# Altium PCB PCB_FINAL_5.PcbDoc (part 2 of 2)
Units mm, origin at the board's own origin, x right, y up, seen from the top; angles counter-clockwise.
Board outline 80.01 x 70.31 mm, 2 copper layers (Top Layer, Bottom Layer); 122 components, 64 nets, 390 pads, 209 vias.
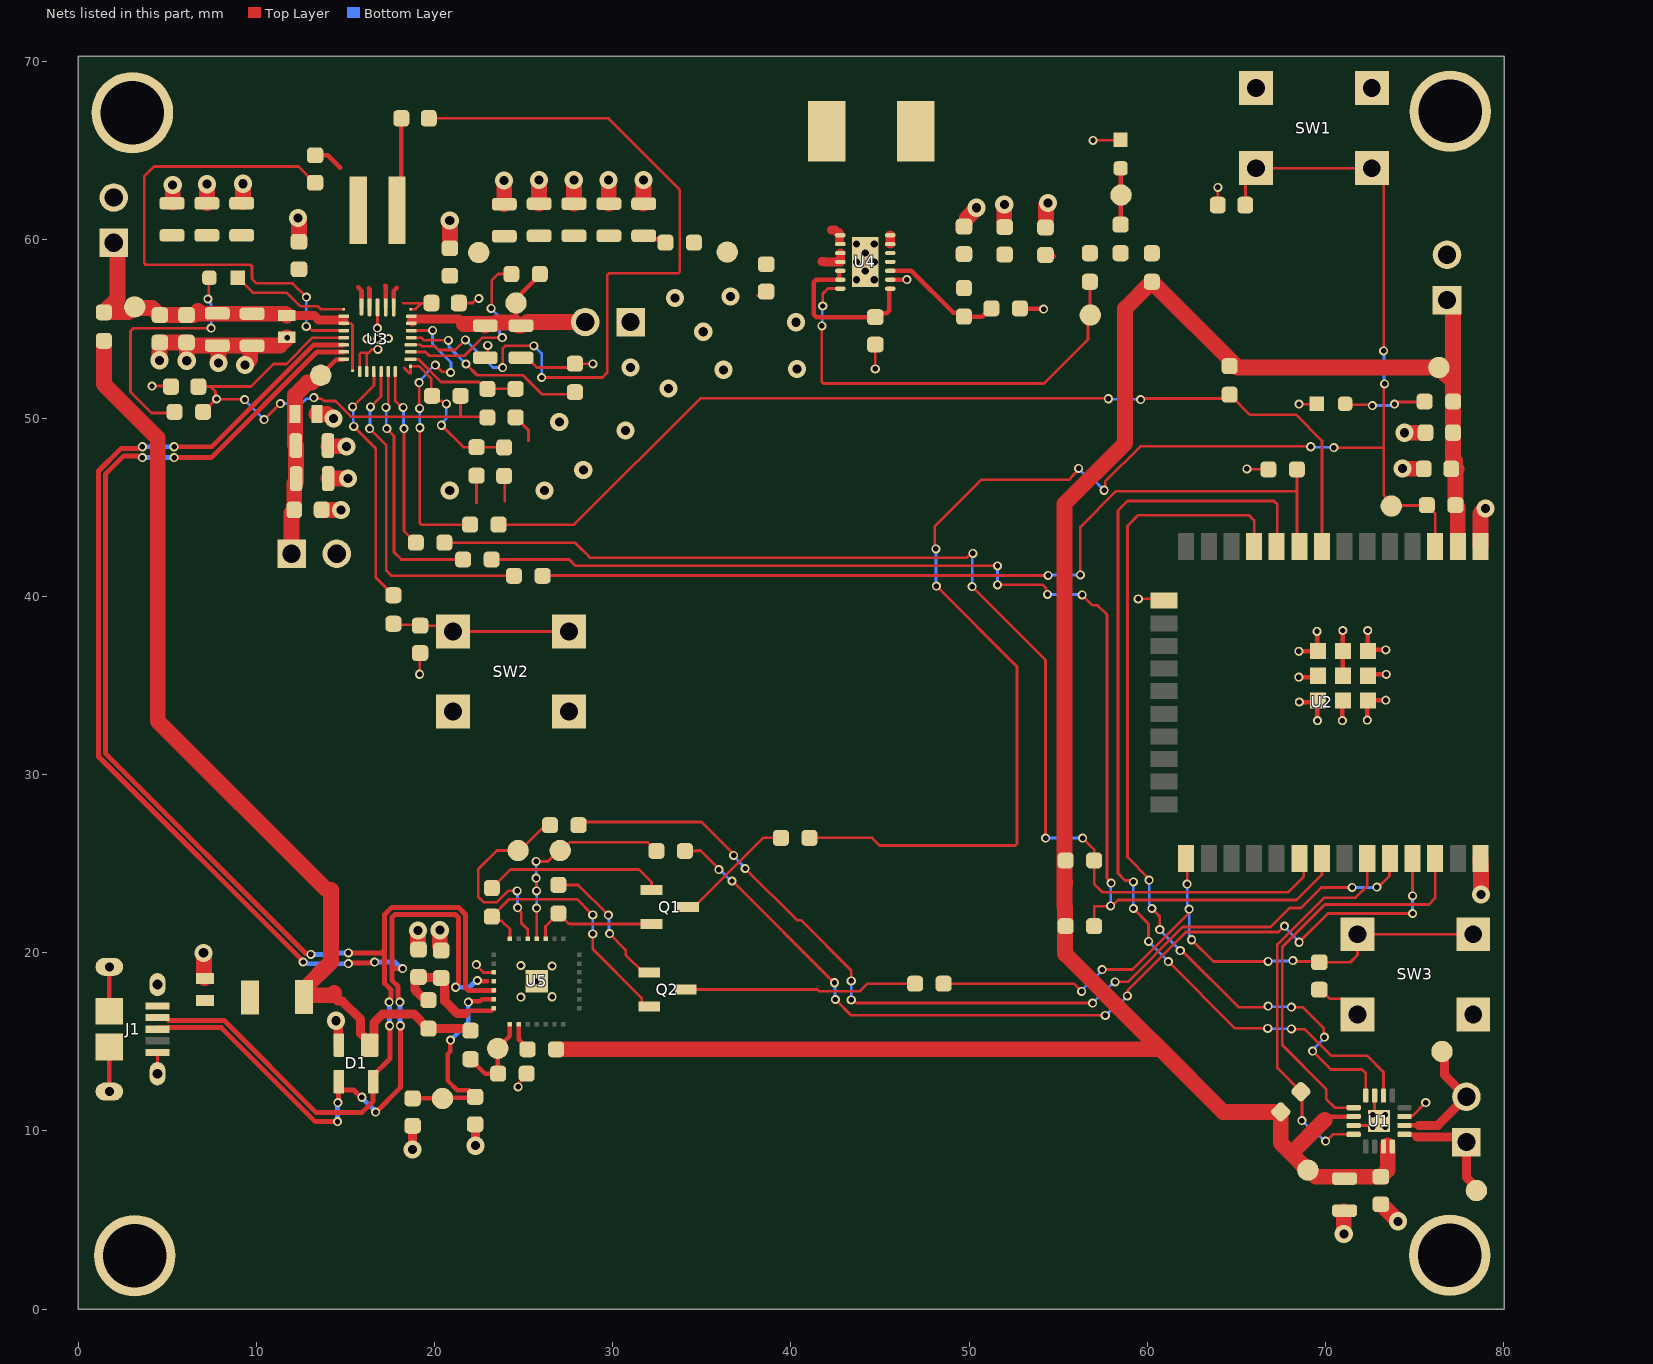
[diagram p2: the nets of this part, all layers, seen from the top]

## Part data
C1 C4 C5 C6 C8 C9 C10 C12 C13 C14 C15 C16 C19 C20 C36: library part GRM21BR61E106KA73K, "Ceramic Capacitor, Ceramic, 25V, 10% +Tol, 10% -Tol, X5R, 15% TC, 10uF, Surface Mount, 0805", Case/Package=0805, Dielectric=X5R, Dielectric Material=Ceramic, Manufacturer=Murata, Manufacturer Lifecycle Status="IN PRODUCTION", Max Operating Temperature=85°C, Min Operating Temperature=-55°C, Supplier Part Number 1=490-16824-1-ND, Tolerance=10%, Voltage Rating=25V, Category="Ceramic Capacitors", ComponentLink1Description=https://datasheet.octopart.com:443/GRM21BR61E106KA73K-Murata-datasheet-149523495.pdf?src-supplier=Newark, ComponentLink1URL=https://datasheet.octopart.com:443/GRM21BR61E106KA73K-Murata-datasheet-149523495.pdf?src-supplier=Newark, ComponentLink2Description=https://datasheet.octopart.com:443/GRM21BR61E106KA73K-Murata-datasheet-141278247.pdf?src-supplier=Geoflip, ComponentLink2URL=https://datasheet.octopart.com:443/GRM21BR61E106KA73K-Murata-datasheet-141278247.pdf?src-supplier=Geoflip, ComponentLink3Description=https://datasheet.octopart.com:443/GRM21BR61E106KA73K-Murata-datasheet-165579666.pdf?src-supplier=TME, ComponentLink3URL=https://datasheet.octopart.com:443/GRM21BR61E106KA73K-Murata-datasheet-165579666.pdf?src-supplier=TME, ComponentLink4Description=https://datasheet.octopart.com:443/GRM21BR61E106KA73K-Murata-datasheet-140707569.pdf?src-supplier=Ciiva, ComponentLink4URL=https://datasheet.octopart.com:443/GRM21BR61E106KA73K-Murata-datasheet-140707569.pdf?src-supplier=Ciiva, ComponentLink5Description=https://datasheet.octopart.com:443/GRM21BR61E106KA73K-Murata-datasheet-138744870.pdf?src-supplier=Ciiva, ComponentLink5URL=https://datasheet.octopart.com:443/GRM21BR61E106KA73K-Murata-datasheet-138744870.pdf?src-supplier=Ciiva, ComponentLink6Description=https://datasheet.octopart.com:443/GRM21BR61E106KA73K-Murata-datasheet-99353849.pdf?src-supplier=Future+Electronics, ComponentLink6URL=https://datasheet.octopart.com:443/GRM21BR61E106KA73K-Murata-datasheet-99353849.pdf?src-supplier=Future+Electronics, ComponentLink7Description=https://datasheet.octopart.com/GRM21BR61E106KA73K-Murata-datasheet-12515295.pdf, ComponentLink7URL=https://datasheet.octopart.com/GRM21BR61E106KA73K-Murata-datasheet-12515295.pdf, ComponentLink8Description=https://datasheet.octopart.com/GRM21BR61E106KA73K-Murata-datasheet-12510076.pdf, ComponentLink8URL=https://datasheet.octopart.com/GRM21BR61E106KA73K-Murata-datasheet-12510076.pdf, ComponentLink9Description=https://datasheet.octopart.com/GRM21BR61E106KA73K-Murata-datasheet-11978611.pdf, ComponentLink9URL=https://datasheet.octopart.com/GRM21BR61E106KA73K-Murata-datasheet-11978611.pdf, ComponentLink10Description=https://datasheet.octopart.com/GRM21BR61E106KA73K-Murata-datasheet-10025737.pdf, ComponentLink10URL=https://datasheet.octopart.com/GRM21BR61E106KA73K-Murata-datasheet-10025737.pdf, ComponentLink11Description=https://datasheet.octopart.com/GRM21BR61E106KA73K-Murata-datasheet-8819587.pdf, ComponentLink11URL=https://datasheet.octopart.com/GRM21BR61E106KA73K-Murata-datasheet-8819587.pdf, ComponentLink12Description=https://datasheet.octopart.com/GRM21BR61E106KA73K-Murata-datasheet-14397508.pdf, ComponentLink12URL=https://datasheet.octopart.com/GRM21BR61E106KA73K-Murata-datasheet-14397508.pdf, ComponentLink13Description=http://sigma.octopart.com:80/reach_statement/Murata-company-16.pdf?src-supplier=Compliance+Statements, ComponentLink13URL=http://sigma.octopart.com:80/reach_statement/Murata-company-16.pdf?src-supplier=Compliance+Statements, Height=1.25mm, Length=2mm, Lifecycle Status=Production, Manufacturer Part Number=GRM21BR61E106KA73K, Material=Ceramic, Mounting Technology="Surface Mount", Number of Terminals=2, Packaging="Tape & Reel (TR)", Pricing="10000=0.01987, 20000=0.01911, 40000=0.01892, 60000=0.01882, 80000=0.01872 (USD)", REACH SVHC=Yes, RoHS=Compliant, Schedule B="8532240020, 8532240020|8532240020, 8532240020|8532240020|8532240020, 8532240020|8532240020|8532240020|8532240020", Stock=54000, Supplier=Avnet, Supplier 1=DigiKey, Supplier Part Number=GRM21BR61E106KA73K, Thickness=1.25mm, Voltage Rating (DC)=25V, Weight=9.49709mg, Width=1.25mm
C2 C3 C7 C11 C26 C27 C29 C31 C33 C34 C35 C39: library part GCM31C5C1H104FA16L, "0.10uF Tol.1%. Rated voltage 50Vdc 125C SMD capacitor C0G(EIA) with capacitance", Package="3216 Murata", Check_prices=https://www.snapeda.com/parts/GCM31C5C1H104FA16L/Murata/view-part/?ref=eda, Digi-Key_Part_Number=490-GCM31C5C1H104FA16LTR-ND, MF=Murata, MP=GCM31C5C1H104FA16L, Purchase-URL=https://pricing.snapeda.com/search/part/GCM31C5C1H104FA16L/?ref=eda, SnapEDA_Link=https://www.snapeda.com/parts/GCM31C5C1H104FA16L/Murata/view-part/?ref=snap
C17 C21 C37: library part CC0603KRX7R7BB473, "CAPACITOR CERAMIC 0.047UF 16V, X7R, 10%,", Package=None, Availability=Unavailable, MP=CC0603KRX7R7BB473, Price=None
C18 C30 C32: library part GRM188R61E475KE11D, "Ceramic capacitor SMD 0603 4.7 µF 25 V 10 % (L x W x H) 1.6 x 0.8 x 0.8 mm Murata GRM188R61E475KE11D 4000 pc(s)", Package="1608 Murata", Check_prices=https://www.snapeda.com/parts/GRM188R61E475KE11D/Murata+Electronics+North+America/view-part/?ref=eda, MF="Murata Electronics", MP=GRM188R61E475KE11D, SnapEDA_Link=https://www.snapeda.com/parts/GRM188R61E475KE11D/Murata+Electronics+North+America/view-part/?ref=snap
C22 C23 C24 C25 C28: library part CL10A226MO7JZNC, "22 µF ±20% 16V Ceramic Capacitor X5R 0603 (1608 Metric)", Package="1608-2 SAMSUNG", Check_prices=https://www.snapeda.com/parts/CL10A226MO7JZNC/Samsung/view-part/?ref=eda, MF="Samsung Electro-Mechanics", MP=CL10A226MO7JZNC, SnapEDA_Link=https://www.snapeda.com/parts/CL10A226MO7JZNC/Samsung/view-part/?ref=snap
C38: library part CC0603KRX7R7BB102, "1000pF ±10% 16V Ceramic Capacitor X7R 0603 (1608 Metric)", Package="0603 Yageo", Check_prices=https://www.snapeda.com/parts/CC0603KRX7R7BB102/Yageo/view-part/1821143/?ref=eda, Digi-Key_Part_Number=311-4063-1-ND, MF=Yageo, MP=CC0603KRX7R7BB102, Purchase-URL=https://pricing.snapeda.com/search/part/CC0603KRX7R7BB102/?ref=eda, SnapEDA_Link=https://www.snapeda.com/parts/CC0603KRX7R7BB102/Yageo/view-part/1821143/?ref=snap
D1: "SP050xBA Series 8.5 V 30 pF Triple Uni-Directional TVS Avalanche Diode-SOT143-4", Breakdown Voltage=5.5V, Case/Package=SOT-143, Clamping Voltage=6.8V, Leakage Current=100nA, Manufacturer=Littelfuse, Max Operating Temperature=125°C, Max Power Dissipation=225mW, Min Operating Temperature=-40°C, Power Line Protection=No, Supplier Part Number=F2715CT-ND, Voltage Rating (DC)=5V, Category="TVS Diodes", China RoHS=Compliant, ComponentLink1Description=https://datasheet.octopart.com:443/SP0503BAHTG-Littelfuse-datasheet-180609594.pdf?src-supplier=Newark, ComponentLink1URL=https://datasheet.octopart.com:443/SP0503BAHTG-Littelfuse-datasheet-180609594.pdf?src-supplier=Newark, ComponentLink2Description=https://datasheet.octopart.com:443/SP0503BAHTG-Littelfuse-datasheet-65933529.pdf?src-supplier=element14+APAC, ComponentLink2URL=https://datasheet.octopart.com:443/SP0503BAHTG-Littelfuse-datasheet-65933529.pdf?src-supplier=element14+APAC, ComponentLink3Description=https://datasheet.octopart.com:443/SP0503BAHTG-Littelfuse-datasheet-8328482.pdf?src-supplier=element14+APAC, ComponentLink3URL=https://datasheet.octopart.com:443/SP0503BAHTG-Littelfuse-datasheet-8328482.pdf?src-supplier=element14+APAC, ComponentLink4Description=https://datasheet.octopart.com:443/SP0503BAHTG-Littelfuse-datasheet-8817999.pdf?src-supplier=element14+APAC, ComponentLink4URL=https://datasheet.octopart.com:443/SP0503BAHTG-Littelfuse-datasheet-8817999.pdf?src-supplier=element14+APAC, ComponentLink5Description=https://datasheet.octopart.com:443/SP0503BAHTG-Littelfuse-datasheet-165517320.pdf?src-supplier=element14+APAC, ComponentLink5URL=https://datasheet.octopart.com:443/SP0503BAHTG-Littelfuse-datasheet-165517320.pdf?src-supplier=element14+APAC, ComponentLink6Description=https://datasheet.octopart.com:443/SP0503BAHTG-Littelfuse-datasheet-137315643.pdf?src-supplier=JRH+Electronics, ComponentLink6URL=https://datasheet.octopart.com:443/SP0503BAHTG-Littelfuse-datasheet-137315643.pdf?src-supplier=JRH+Electronics, ComponentLink7Description=https://datasheet.octopart.com:443/SP0503BAHTG-Littelfuse-datasheet-32996.pdf?src-supplier=Farnell, ComponentLink7URL=https://datasheet.octopart.com:443/SP0503BAHTG-Littelfuse-datasheet-32996.pdf?src-supplier=Farnell, ComponentLink8Description=https://datasheet.octopart.com:443/SP0503BAHTG-Littelfuse-datasheet-622385.pdf?src-supplier=RS+(Formerly+Allied+Electronics), ComponentLink8URL=https://datasheet.octopart.com:443/SP0503BAHTG-Littelfuse-datasheet-622385.pdf?src-supplier=RS+(Formerly+Allied+Electronics), ComponentLink9Description=https://datasheet.octopart.com:443/SP0503BAHTG-Littelfuse-datasheet-125842.pdf?src-supplier=TME, ComponentLink9URL=https://datasheet.octopart.com:443/SP0503BAHTG-Littelfuse-datasheet-125842.pdf?src-supplier=TME, ComponentLink10Description=https://datasheet.octopart.com:443/SP0503BAHTG-Littelfuse-datasheet-165573816.pdf?src-supplier=TME, ComponentLink10URL=https://datasheet.octopart.com:443/SP0503BAHTG-Littelfuse-datasheet-165573816.pdf?src-supplier=TME, ComponentLink11Description=https://datasheet.octopart.com:443/SP0503BAHTG-Littelfuse-datasheet-14049100.pdf?src-supplier=iiiC, ComponentLink11URL=https://datasheet.octopart.com:443/SP0503BAHTG-Littelfuse-datasheet-14049100.pdf?src-supplier=iiiC, Composition=Zener, Depth=1.4mm, Diode Type=Avalanche, Direction=Unidirectional, Element Configuration="Common Anode", ESD Protection=Yes, Height=1.22mm, Lead Free="Lead Free", Length=3.04mm, Lifecycle Status=Production, Manufacturer Part Number=SP0503BAHTG, Max Reverse Leakage Current=100nA, Mounting Technology="Surface Mount", Number of Channels=3, Number of Elements=3, Number of Terminals=4, Number of Unidirectional Channels=3, Operating Supply Voltage=5.5V, Peak Pulse Power=225mW, Pins=4, Polarity=Unidirectional, Power Dissipation=225mW, Pricing="1=0.6, 10=0.5, 100=0.424, 500=0.373, 1000=0.343 (USD)", Radiation Hardening=No, REACH SVHC=Yes, Reverse Standoff Voltage=5.5V, RoHS=Compliant, Schedule B="8536300000, 8536300000|8536300000|8536300000|8536300000|8536300000", Stock=99308, Supplier=DigiKey, Termination=SMD/SMT, Width=1.4mm, Working Voltage=5.5V
D2 D3 D6: library part WE-TVS_DFN1610-2L_824032815, Package=None, Availability=Unavailable, MF="{'manufacturer': u'W\xfcrth Elektronik'}", MP=824032815, Price=None
F1: library part 0ZCJ0200FF2C, "No Description Available", Manufacturer_Name=Belfuse, Copyright="Copyright (C) 2025 Ultra Librarian. All rights reserved.", Manufacturer_Part_Number=0ZCJ0200FF2C
H1 H2 H3 H4 H5: library part PRPC002SAAN-RC, "CONN HEADER VERT 2POS 2.54MM", Color=Black, Manufacturer=Sullins, Standard Package=1, Supplier Part Number 1=S1011EC-02-ND, Category="Connectors, Interconnects", ComponentLink1Description=https://media.digikey.com/PDF/Data%20Sheets/Sullins%20PDFs/xRxCzzzSxxN-RC_ST_11635-B.pdf?src-supplier=Digi-Key, ComponentLink1URL=https://media.digikey.com/PDF/Data%20Sheets/Sullins%20PDFs/xRxCzzzSxxN-RC_ST_11635-B.pdf?src-supplier=Digi-Key, Connector Type="Header, Unshrouded, Breakaway", Contact Finish=Gold, Contact Finish Thickness=Flash, Contact Mating Length="0.230\" (5.84mm)", Contact Type="Male Pin", Family="Rectangular Connectors - Headers, Male Pins", Fastening Type=-, Features=-, Manufacturer Part Number=PRPC002SAAN-RC, Mounting Type="Through Hole", Number of Positions=2, Number of Positions Loaded=All, Number of Rows=1, Online Catalog="0.100\" (2.54mm) Pitch Connector Headers", Other Names="S9510E-02  S9510E-02-ND", Packaging=Bulk, Pitch="0.100\" (2.54mm)", Pricing 1="1=0.08, 10=0.073, 25=0.054, 50=0.0464, 100=0.0449, 250=0.0387, 500=0.0372 (USD)", Row Spacing=-, Series=-, Stock 1=42739, Supplier 1=Digi-Key, Termination=Solder
J1: library part "USB-Micro B", "10118194-0001LF micro-USB paste-in-pad", Color=Black, Current Rating="1.8 A", Flammability Rating="UL 94 V-0", Insulation Resistance="1000 MOhms", Manufacturer=FCI, Manufacturer Part Number=10118194-0001LF, Operating Temperature Range="- 55 C to + 85 C", Supplier Part Number 1=609-4618-1-ND, .Creator="Kailey Shara", .PCBchecked=KS, .SCHchecked=KS, Brand=FCI, Category="Connectors, Interconnects", ComponentLink1Description=http://portal.fciconnect.com/Comergent//fci/drawing/10118194.pdf, ComponentLink1URL=http://portal.fciconnect.com/Comergent//fci/drawing/10118194.pdf, Connector Type="USB - micro B", Contact Material="Copper Alloy", Contact Plating=Gold, Features="Shielded, Solder Retention", Gender=Receptacle, Ingress Protection=-, Minimum Order Quantity=1, Mounting Angle=Right, Mounting Type="Surface Mount, Right Angle, Horizontal", Number of Contacts=5, Packaging="Cut Tape (CT)", Pricing 1="1=0.46, 10=0.433, 25=0.3712, 50=0.3156, 100=0.3032, 250=0.27224, 500=0.25988 (USD)", Product="Micro USB Type B Connectors", Reeling=True, RoHS="RoHS Compliant", Specifications="USB 2.0", Standard="USB 2.0", Standard Pack Qty=1200, Stock 1=27978, Supplier 1=Digi-Key, Termination Style=SMD
L1: library part WE-MAPI_4020, "1 ÂµH Shielded Molded Inductor 7.2 A 15mOhm Max 1616 (4040 Metric)", Package=SMD-2, Availability=Unavailable, Check_prices=https://www.snapeda.com/parts/74438356010/W%25C3%25BCrth+Elektronik+Midcom/view-part/?ref=eda, MF="WÃ¼rth Elektronik", MP=74438356010, Price=None, SnapEDA_Link=https://www.snapeda.com/parts/74438356010/W%25C3%25BCrth+Elektronik+Midcom/view-part/?ref=snap
L2: library part ETQ-P3M1R5KVN, "Description", Manufacturer_Name=Panasonic, Copyright="Copyright (C) 2025 Ultra Librarian. All rights reserved.", Manufacturer_Part_Number=ETQ-P3M1R5KVN
LED1 LED2 LED3: library part 150060GS75000, "LED, 0603, GREEN, 430MCD, 520NM", Color=Green, Current - Test=20mA, Manufacturer="Wurth Electronics", Millicandela Rating=430mcd, Package / Case="0603 (1608 Metric)", Standard Package=4,000, Supplier Part Number 1=732-4971-1-ND, Voltage - Forward (Vf) (Typ)=3.2V, 3D Model="SMCW_0603.igs /  / SMCW_0603.stp /  / SMCW_0603.wrl", Category=Optoelectronics, ComponentLink1Description=https://katalog.we-online.de/led/datasheet/150060GS75000.pdf?src-supplier=Digi-Key, ComponentLink1URL=https://katalog.we-online.de/led/datasheet/150060GS75000.pdf?src-supplier=Digi-Key, ComponentLink2Description=http://www.produktinfo.conrad.com/datenblaetter/750000-774999/759427-da-01-en-CHIPLED_0603_W_KL_GRUEN_150060GS75000.pdf?src-supplier=Conrad, ComponentLink2URL=http://www.produktinfo.conrad.com/datenblaetter/750000-774999/759427-da-01-en-CHIPLED_0603_W_KL_GRUEN_150060GS75000.pdf?src-supplier=Conrad, Dynamic Catalog="0603 Rectangle with Flat Top Chip LEDs", Family="LED Indication - Discrete", Height=0.70mm, Lens Style/Size="Rectangle with Flat Top, 1.1mm x 0.7mm", Lens Type=Clear, Manufacturer Part Number=150060GS75000, Mounting Type="Surface Mount", Online Catalog="0603 Rectangle with Flat Top Chip LEDs", Other Names=732-4971-2, Packaging="Tape & Reel (TR)", Pricing 1="1=0.14, 50=0.129, 100=0.11, 500=0.095 (USD)", Series=WL-SMCW, Size / Dimension="1.60mm L x 0.80mm W", Stock 1=34964, Supplier 1=Digi-Key, Viewing Angle=140°, Wavelength - Dominant=520nm, Wavelength - Peak=515nm
MH1 MH2 MH3 MH4: library part HOLE_#4
Q1 Q2: "Description", Manufacturer_Name=Comchip, Copyright="Copyright (C) 2025 Ultra Librarian. All rights reserved.", Manufacturer_Part_Number=SS8050-G, RefDes=RefDes, Type=Type
R1: library part RMCF0603FT634K, "Res Thick Film 0603 634K Ohm 1% 0.1W(1/10W) ±100ppm/C Pad SMD Automotive T/R", Case Code (Imperial)=0603, Case Code (Metric)=1608, Manufacturer="Stackpole Electronics", Max Operating Temperature=155°C, Max Power Dissipation=100mW, Min Operating Temperature=-55°C, Supplier Part Number=738-RMCF0603FT634KCT-ND, Temperature Coefficient=100ppm/°C, Tolerance=1%, Voltage Rating=75V, Case/Package=0603, Category="Chip SMD Resistors", China RoHS=Non-Compliant, ComponentLink1Description=https://datasheet.octopart.com:443/RMCF0603FT634K-Stackpole-Electronics-datasheet-182148065.pdf?src-supplier=IHS, ComponentLink1URL=https://datasheet.octopart.com:443/RMCF0603FT634K-Stackpole-Electronics-datasheet-182148065.pdf?src-supplier=IHS, ComponentLink2Description=https://datasheet.octopart.com:443/RMCF0603FT634K-Stackpole-Electronics-datasheet-28504820.pdf?src-supplier=Upverter, ComponentLink2URL=https://datasheet.octopart.com:443/RMCF0603FT634K-Stackpole-Electronics-datasheet-28504820.pdf?src-supplier=Upverter, ComponentLink3Description=https://datasheet.octopart.com:443/RMCF0603FT634K-Stackpole-Electronics-datasheet-141193804.pdf?src-supplier=Master+Electronics, ComponentLink3URL=https://datasheet.octopart.com:443/RMCF0603FT634K-Stackpole-Electronics-datasheet-141193804.pdf?src-supplier=Master+Electronics, ComponentLink4Description=https://datasheet.octopart.com:443/RMCF0603FT634K-Stackpole-Electronics-datasheet-189104163.pdf?src-supplier=Master+Electronics, ComponentLink4URL=https://datasheet.octopart.com:443/RMCF0603FT634K-Stackpole-Electronics-datasheet-189104163.pdf?src-supplier=Master+Electronics, ComponentLink5Description=https://datasheet.octopart.com:443/RMCF0603FT634K-Stackpole-Electronics-datasheet-116606903.pdf?src-supplier=Master+Electronics, ComponentLink5URL=https://datasheet.octopart.com:443/RMCF0603FT634K-Stackpole-Electronics-datasheet-116606903.pdf?src-supplier=Master+Electronics, ComponentLink6Description=https://datasheet.octopart.com:443/RMCF0603FT634K-Stackpole-Electronics-datasheet-62091608.pdf?src-supplier=Stackpole+Electronics, ComponentLink6URL=https://datasheet.octopart.com:443/RMCF0603FT634K-Stackpole-Electronics-datasheet-62091608.pdf?src-supplier=Stackpole+Electronics, ComponentLink7Description=https://datasheet.octopart.com:443/RMCF0603FT634K-Stackpole-Electronics-datasheet-12534581.pdf?src-supplier=Stackpole+Electronics, ComponentLink7URL=https://datasheet.octopart.com:443/RMCF0603FT634K-Stackpole-Electronics-datasheet-12534581.pdf?src-supplier=Stackpole+Electronics, ComponentLink8Description=https://datasheet.octopart.com:443/RMCF0603FT634K-Stackpole-Electronics-datasheet-10788263.pdf?src-supplier=Stackpole+Electronics, ComponentLink8URL=https://datasheet.octopart.com:443/RMCF0603FT634K-Stackpole-Electronics-datasheet-10788263.pdf?src-supplier=Stackpole+Electronics, ComponentLink9Description=https://datasheet.octopart.com:443/RMCF0603FT634K-Stackpole-Electronics-datasheet-11547379.pdf?src-supplier=Future+Electronics, ComponentLink9URL=https://datasheet.octopart.com:443/RMCF0603FT634K-Stackpole-Electronics-datasheet-11547379.pdf?src-supplier=Future+Electronics, ComponentLink10Description=https://datasheet.octopart.com:443/RMCF0603FT634K-Stackpole-Electronics-datasheet-8359789.pdf?src-supplier=Future+Electronics, ComponentLink10URL=https://datasheet.octopart.com:443/RMCF0603FT634K-Stackpole-Electronics-datasheet-8359789.pdf?src-supplier=Future+Electronics, ComponentLink11Description=https://datasheet.octopart.com:443/RMCF0603FT634K-Stackpole-Electronics-datasheet-8324226.pdf?src-supplier=Future+Electronics, ComponentLink11URL=https://datasheet.octopart.com:443/RMCF0603FT634K-Stackpole-Electronics-datasheet-8324226.pdf?src-supplier=Future+Electronics, ComponentLink12Description=https://datasheet.octopart.com:443/RMCF0603FT634K-Stackpole-Electronics-datasheet-8088878.pdf?src-supplier=Future+Electronics, ComponentLink12URL=https://datasheet.octopart.com:443/RMCF0603FT634K-Stackpole-Electronics-datasheet-8088878.pdf?src-supplier=Future+Electronics, ComponentLink13Description=https://datasheet.octopart.com:443/RMCF0603FT634K-Stackpole-Electronics-datasheet-5313682.pdf?src-supplier=Future+Electronics, ComponentLink13URL=https://datasheet.octopart.com:443/RMCF0603FT634K-Stackpole-Electronics-datasheet-5313682.pdf?src-supplier=Future+Electronics, ComponentLink14Description=http://sigma.octopart.com:80/15940719/materials_sheet/Stackpole-Electronics-RMCF0603FT634K.pdf?src-supplier=Compliance+Statements, ComponentLink14URL=http://sigma.octopart.com:80/15940719/materials_sheet/Stackpole-Electronics-RMCF0603FT634K.pdf?src-supplier=Compliance+Statements, ComponentLink15Description=http://sigma.octopart.com:80/141158211/reach_statement/Stackpole-Electronics-RMCF0603FT634K.pdf?src-supplier=Compliance+Statements, ComponentLink15URL=http://sigma.octopart.com:80/141158211/reach_statement/Stackpole-Electronics-RMCF0603FT634K.pdf?src-supplier=Compliance+Statements, ComponentLink16Description=http://sigma.octopart.com:80/141158212/rohs_statement/Stackpole-Electronics-RMCF0603FT634K.pdf?src-supplier=Compliance+Statements, ComponentLink16URL=http://sigma.octopart.com:80/141158212/rohs_statement/Stackpole-Electronics-RMCF0603FT634K.pdf?src-supplier=Compliance+Statements, Composition="Thick Film", Contact Plating=Tin, Features="Automotive AEC-Q200", Height=450µm, Lead Free="Lead Free", Length=1.5494mm, Lifecycle Status=Production, Manufacturer Part Number=RMCF0603FT634K, Mounting Technology="Surface Mount", Number of Terminals=2, Number of Terminations=2, Packaging="Cut Tape (CT)", Power Dissipation=100mW, Power Rating=100mW, Pricing="1=0.1, 10=0.02, 25=0.0144, 50=0.0114, 100=0.0091, 250=0.00696, 500=0.00574, 1000=0.0048 (USD)", Radiation Hardening=No, REACH SVHC=Yes, RoHS=Compliant, Schedule B="8533210045, 8533210045|8533210045|8533210045|8533210045|8533210045", Stock=6220, Supplier=DigiKey, Width=800µm, Working Voltage=75V
R2 R29 R30 R32 R33 R34 R37 R39 R40 R42 R43 R44: library part MCT06030Z0000ZP500, "0 Ohms Jumper 0.125W, 1/8W Chip Resistor 0603 (1608 Metric) Anti-Sulfur Thin Film", Package="1508 Vishay", Check_prices=https://www.snapeda.com/parts/MCT06030Z0000ZP500/Vishay+Beyschlag/view-part/?ref=eda, MF=Vishay, MP=MCT06030Z0000ZP500, SnapEDA_Link=https://www.snapeda.com/parts/MCT06030Z0000ZP500/Vishay+Beyschlag/view-part/?ref=snap
R3: library part RMCF0603FT127K, "RES 127K OHM 1% 1/10W 0603", Package=None, Availability=Unavailable, MP=RMCF0603FT127K, Price=None
R4: library part RMCF0603JT100K, "RMCF Series 0603 0.1 W 100 kOhm Â±5 % Â±100 ppm/Â°C SMT Thick Film Chip Resistor", Package="0603 Stackpole Electronics", Availability=Good, MF="Stackpole Electronics", MP=RMCF0603JT100K, Price=None, Purchase-URL=https://pricing.snapeda.com/search/part/RMCF0603JT100K/?ref=eda, SnapEDA_Link=https://www.snapeda.com/parts/RMCF0603JT100K/Stackpole%20Electronics/view-part/54539/?ref=snap
R5: library part RN73H1JTTD1000B25, "RES 100 OHM 0.1% 1/10W 0603", Package=None, Availability=Unavailable, MP=RN73H1JTTD1000B25, Price=None
R6 R17 R18: library part RN73H1JTTD2201F50, "RES 2.2K OHM 1% 1/10W 0603", Package=None, Availability=Unavailable, MP=RN73H1JTTD2201F50, Price=None
R7 R9: library part RC0603FR-074K7L, "Res Thick Film 1.6 x 0.8 mm 4.7K Ohm 1% 0.1W(1/10W) 100ppm/ C Molded SMD Paper T/R", Case Code (Imperial)=0603, Manufacturer="Yageo Group", Max Operating Temperature=155°C, Min Operating Temperature=-55°C, Power Dissipation=100mW, Supplier Part Number=311-4.70KHRCT-ND, Temperature Coefficient=100ppm/°C, Tolerance=1%, Voltage Rating=75V, Voltage Rating (DC)=50V, Case/Package=0603, Category="Chip SMD Resistors", China RoHS=Non-Compliant, ComponentLink1Description=https://datasheet.octopart.com:443/RC0603FR-074K7L-Yageo-datasheet-175887523.pdf?src-supplier=IHS, ComponentLink1URL=https://datasheet.octopart.com:443/RC0603FR-074K7L-Yageo-datasheet-175887523.pdf?src-supplier=IHS, ComponentLink2Description=https://datasheet.octopart.com:443/RC0603FR-074K7L-Yageo-datasheet-103092701.pdf?src-supplier=Upverter, ComponentLink2URL=https://datasheet.octopart.com:443/RC0603FR-074K7L-Yageo-datasheet-103092701.pdf?src-supplier=Upverter, ComponentLink3Description=https://datasheet.octopart.com:443/RC0603FR-074K7L-Yageo-datasheet-8328172.pdf?src-supplier=Farnell, ComponentLink3URL=https://datasheet.octopart.com:443/RC0603FR-074K7L-Yageo-datasheet-8328172.pdf?src-supplier=Farnell, ComponentLink4Description=https://datasheet.octopart.com:443/RC0603FR-074K7L-Yageo-datasheet-13691069.pdf?src-supplier=Farnell, ComponentLink4URL=https://datasheet.octopart.com:443/RC0603FR-074K7L-Yageo-datasheet-13691069.pdf?src-supplier=Farnell, ComponentLink5Description=https://datasheet.octopart.com:443/RC0603FR-074K7L-Yageo-datasheet-175423674.pdf?src-supplier=Newark, ComponentLink5URL=https://datasheet.octopart.com:443/RC0603FR-074K7L-Yageo-datasheet-175423674.pdf?src-supplier=Newark, ComponentLink6Description=https://datasheet.octopart.com:443/RC0603FR-074K7L-Yageo-datasheet-12596169.pdf?src-supplier=Newark, ComponentLink6URL=https://datasheet.octopart.com:443/RC0603FR-074K7L-Yageo-datasheet-12596169.pdf?src-supplier=Newark, ComponentLink7Description=https://datasheet.octopart.com:443/RC0603FR-074K7L-Yageo-datasheet-503470.pdf?src-supplier=Newark, ComponentLink7URL=https://datasheet.octopart.com:443/RC0603FR-074K7L-Yageo-datasheet-503470.pdf?src-supplier=Newark, ComponentLink8Description=https://datasheet.octopart.com:443/RC0603FR-074K7L-Yageo-datasheet-34211833.pdf?src-supplier=element14+APAC, ComponentLink8URL=https://datasheet.octopart.com:443/RC0603FR-074K7L-Yageo-datasheet-34211833.pdf?src-supplier=element14+APAC, ComponentLink9Description=https://datasheet.octopart.com:443/RC0603FR-074K7L-Yageo-datasheet-62067350.pdf?src-supplier=element14+APAC, ComponentLink9URL=https://datasheet.octopart.com:443/RC0603FR-074K7L-Yageo-datasheet-62067350.pdf?src-supplier=element14+APAC, ComponentLink10Description=https://datasheet.octopart.com:443/RC0603FR-074K7L-Yageo-datasheet-17842380.pdf?src-supplier=element14+APAC, ComponentLink10URL=https://datasheet.octopart.com:443/RC0603FR-074K7L-Yageo-datasheet-17842380.pdf?src-supplier=element14+APAC, ComponentLink11Description=https://datasheet.octopart.com:443/RC0603FR-074K7L-Yageo-datasheet-164759695.pdf?src-supplier=Future+Electronics, ComponentLink11URL=https://datasheet.octopart.com:443/RC0603FR-074K7L-Yageo-datasheet-164759695.pdf?src-supplier=Future+Electronics, ComponentLink12Description=https://datasheet.octopart.com:443/RC0603FR-074K7L-Yageo-datasheet-137700087.pdf?src-supplier=Future+Electronics, ComponentLink12URL=https://datasheet.octopart.com:443/RC0603FR-074K7L-Yageo-datasheet-137700087.pdf?src-supplier=Future+Electronics, ComponentLink13Description=https://datasheet.octopart.com:443/RC0603FR074K7L-Yageo-datasheet-27584510.pdf?src-supplier=Future+Electronics, ComponentLink13URL=https://datasheet.octopart.com:443/RC0603FR074K7L-Yageo-datasheet-27584510.pdf?src-supplier=Future+Electronics, ComponentLink14Description=https://datasheet.octopart.com:443/RC0603FR-074K7L-Yageo-datasheet-15599030.pdf?src-supplier=Future+Electronics, ComponentLink14URL=https://datasheet.octopart.com:443/RC0603FR-074K7L-Yageo-datasheet-15599030.pdf?src-supplier=Future+Electronics, ComponentLink15Description=https://datasheet.octopart.com:443/RC0603FR-074K7L-Yageo-datasheet-79472498.pdf?src-supplier=Megastar, ComponentLink15URL=https://datasheet.octopart.com:443/RC0603FR-074K7L-Yageo-datasheet-79472498.pdf?src-supplier=Megastar, ComponentLink16Description=https://datasheet.octopart.com/RC0603FR-074K7L-Yageo-datasheet-73766026.pdf, ComponentLink16URL=https://datasheet.octopart.com/RC0603FR-074K7L-Yageo-datasheet-73766026.pdf, ComponentLink17Description=https://datasheet.octopart.com:443/RC0603FR-074K7L-Yageo-datasheet-118562.pdf?src-supplier=DigiKey, ComponentLink17URL=https://datasheet.octopart.com:443/RC0603FR-074K7L-Yageo-datasheet-118562.pdf?src-supplier=DigiKey, ComponentLink18Description=http://sigma.octopart.com:80/rohs_statement/Yageo-company-2.pdf?src-supplier=Compliance+Statements, ComponentLink18URL=http://sigma.octopart.com:80/rohs_statement/Yageo-company-2.pdf?src-supplier=Compliance+Statements, ComponentLink19Description=http://sigma.octopart.com:80/conflict_mineral_statement/Yageo-company-3.pdf?src-supplier=Compliance+Statements, ComponentLink19URL=http://sigma.octopart.com:80/conflict_mineral_statement/Yageo-company-3.pdf?src-supplier=Compliance+Statements, Composition="Thick Film", Depth=800µm, Height=450µm, Lead Free="Lead Free", Lead Pitch=300µm, Length=1.6mm, Lifecycle Status=Production, Manufacturer Part Number=RC0603FR-074K7L, Military Standard=Not, Mounting Technology="Surface Mount", Number of Terminals=2, Packaging="Tape & Reel", Pins=2, Power Rating=100mW, Pricing="1=0.1, 10=0.009, 25=0.0088, 50=0.0052 (USD)", REACH SVHC=Yes, RoHS=Compliant, Schedule B="8533210045, 8533210045|8533210045|8533210045|8533210045|8533210045|8533210045|8533210045|8533210045|8533210045|8533210045|8533210045|8533210045|8533210045|8533210045|8533210045|8533210045|8533210045|8533210045|8533210045|8533210045|8533210045|8533210045|8533210045|85", Stock=474324, Supplier=DigiKey, Termination=SMD/SMT, Width=800µm, Working Voltage=75V
R8: library part RC0603FR-075K23L, "5.23 kOhms ±1% 0.1W, 1/10W Chip Resistor 0603 (1608 Metric) Moisture Resistant Thick Film", Package=None, Availability=Unavailable, MF="{'manufacturer': u'YAGEO'}", MP=RC0603FR-075K23L, Price=None
R10: library part RNCP0603FTD10K0, "10 kOhms Â±1% 0.125W, 1/8W Chip Resistor 0603 (1608 Metric) Anti-Sulfur, Moisture Resistant Thin Film", Package="1508 Stackpole", Check_prices=https://www.snapeda.com/parts/RNCP0603FTD10K0/Stackpole+Electronics/view-part/?ref=eda, MF="Stackpole Electronics Inc", MP=RNCP0603FTD10K0, SnapEDA_Link=https://www.snapeda.com/parts/RNCP0603FTD10K0/Stackpole+Electronics/view-part/?ref=snap
R11: library part RC0603FR-0730K9L, "30,9K 1% 0,1W RC0603", Package=None, Availability=Unavailable, MP=RC0603FR-0730K9L, Price=None
R12 R13: library part RMCF0603JT1M00, "1 MOhms ±5% 0.1W, 1/10W Chip Resistor 0603 (1608 Metric) Automotive AEC-Q200 Thick Film", Package=None, Availability=Unavailable, MP=RMCF0603JT1M00, Price=None
R14: library part RMCF0603FT180K, "180 kOhms ±1% 0.1W, 1/10W Chip Resistor 0603 (1608 Metric) Automotive AEC-Q200 Thick Film", Package="1508 Stackpole", Check_prices=https://www.snapeda.com/parts/RMCF0603FT180K/Stackpole+Electronics/view-part/?ref=eda, MF="Stackpole Electronics Inc", MP=RMCF0603FT180K, SnapEDA_Link=https://www.snapeda.com/parts/RMCF0603FT180K/Stackpole+Electronics/view-part/?ref=snap
R15 R16 R22 R23 R24 R25: library part RC0603FR-0710KL, "100mW Thick Film Resistors 75V ±100ppm/℃ ±1% 10kΩ 0603 Chip Resistor - Surface Mount ROHS", Case Code (Imperial)=0603, Manufacturer="Yageo Group", Max Operating Temperature=155°C, Min Operating Temperature=-55°C, Power Dissipation=100mW, Supplier Part Number=311-10.0KHRCT-ND, Temperature Coefficient=100ppm/°C, Tolerance=1%, Voltage Rating=75V, Voltage Rating (DC)=50V, Case Code (Metric)=0603, Case/Package=0603, Category="Chip SMD Resistors", China RoHS=Non-Compliant, ComponentLink1Description=https://datasheet.octopart.com:443/RC0603FR-0710KL-Yageo-datasheet-175887523.pdf?src-supplier=IHS, ComponentLink1URL=https://datasheet.octopart.com:443/RC0603FR-0710KL-Yageo-datasheet-175887523.pdf?src-supplier=IHS, ComponentLink2Description=https://datasheet.octopart.com:443/RC0603FR-0710KL-Yageo-datasheet-103092701.pdf?src-supplier=Upverter, ComponentLink2URL=https://datasheet.octopart.com:443/RC0603FR-0710KL-Yageo-datasheet-103092701.pdf?src-supplier=Upverter, ComponentLink3Description=https://datasheet.octopart.com:443/RC0603FR-0710KL-Yageo-datasheet-98239111.pdf?src-supplier=Upverter, ComponentLink3URL=https://datasheet.octopart.com:443/RC0603FR-0710KL-Yageo-datasheet-98239111.pdf?src-supplier=Upverter, ComponentLink4Description=https://datasheet.octopart.com:443/RC0603FR-0710KL-Yageo-datasheet-141265859.pdf?src-supplier=Upverter, ComponentLink4URL=https://datasheet.octopart.com:443/RC0603FR-0710KL-Yageo-datasheet-141265859.pdf?src-supplier=Upverter, ComponentLink5Description=https://sigma.octopart.com:443/138820526/technical_drawing/Yageo-RC0603FR-0710KL.pdf?src-supplier=Upverter, ComponentLink5URL=https://sigma.octopart.com:443/138820526/technical_drawing/Yageo-RC0603FR-0710KL.pdf?src-supplier=Upverter, ComponentLink6Description=https://datasheet.octopart.com:443/RC0603FR-0710KL-Yageo-datasheet-8328172.pdf?src-supplier=Farnell, ComponentLink6URL=https://datasheet.octopart.com:443/RC0603FR-0710KL-Yageo-datasheet-8328172.pdf?src-supplier=Farnell, ComponentLink7Description=https://datasheet.octopart.com:443/RC0603FR-0710KL-Yageo-datasheet-13691069.pdf?src-supplier=Farnell, ComponentLink7URL=https://datasheet.octopart.com:443/RC0603FR-0710KL-Yageo-datasheet-13691069.pdf?src-supplier=Farnell, ComponentLink8Description=https://datasheet.octopart.com:443/RC0603FR-0710KL-Yageo-datasheet-62067350.pdf?src-supplier=element14+APAC, ComponentLink8URL=https://datasheet.octopart.com:443/RC0603FR-0710KL-Yageo-datasheet-62067350.pdf?src-supplier=element14+APAC, ComponentLink9Description=https://datasheet.octopart.com:443/RC0603FR-0710KL-Yageo-datasheet-17842380.pdf?src-supplier=element14+APAC, ComponentLink9URL=https://datasheet.octopart.com:443/RC0603FR-0710KL-Yageo-datasheet-17842380.pdf?src-supplier=element14+APAC, ComponentLink10Description=https://datasheet.octopart.com:443/RC0603FR-0710KL-Yageo-datasheet-15599030.pdf?src-supplier=Future+Electronics, ComponentLink10URL=https://datasheet.octopart.com:443/RC0603FR-0710KL-Yageo-datasheet-15599030.pdf?src-supplier=Future+Electronics, ComponentLink11Description=https://datasheet.octopart.com:443/RC0603FR-0710KL-Yageo-datasheet-164759695.pdf?src-supplier=Future+Electronics, ComponentLink11URL=https://datasheet.octopart.com:443/RC0603FR-0710KL-Yageo-datasheet-164759695.pdf?src-supplier=Future+Electronics, ComponentLink12Description=https://datasheet.octopart.com:443/RC0603FR-0710KL-Yageo-datasheet-127823281.pdf?src-supplier=Future+Electronics, ComponentLink12URL=https://datasheet.octopart.com:443/RC0603FR-0710KL-Yageo-datasheet-127823281.pdf?src-supplier=Future+Electronics, ComponentLink13Description=https://datasheet.octopart.com:443/RC0603FR-0710KL-Yageo-datasheet-137700087.pdf?src-supplier=Future+Electronics, ComponentLink13URL=https://datasheet.octopart.com:443/RC0603FR-0710KL-Yageo-datasheet-137700087.pdf?src-supplier=Future+Electronics, ComponentLink14Description=https://datasheet.octopart.com:443/RC0603FR-0710KL-Yageo-datasheet-27584510.pdf?src-supplier=Future+Electronics, ComponentLink14URL=https://datasheet.octopart.com:443/RC0603FR-0710KL-Yageo-datasheet-27584510.pdf?src-supplier=Future+Electronics, ComponentLink15Description=https://datasheet.octopart.com:443/RC0603FR-0710KL-Yageo-datasheet-8324193.pdf?src-supplier=Future+Electronics, ComponentLink15URL=https://datasheet.octopart.com:443/RC0603FR-0710KL-Yageo-datasheet-8324193.pdf?src-supplier=Future+Electronics, ComponentLink16Description=https://datasheet.octopart.com:443/RC0603FR-0710KL-Yageo-datasheet-12596169.pdf?src-supplier=Newark, ComponentLink16URL=https://datasheet.octopart.com:443/RC0603FR-0710KL-Yageo-datasheet-12596169.pdf?src-supplier=Newark, ComponentLink17Description=https://datasheet.octopart.com:443/RC0603FR-0710KL-Yageo-datasheet-503470.pdf?src-supplier=Newark, ComponentLink17URL=https://datasheet.octopart.com:443/RC0603FR-0710KL-Yageo-datasheet-503470.pdf?src-supplier=Newark, ComponentLink18Description=https://datasheet.octopart.com:443/RC0603FR-0710KL-Yageo-datasheet-34211833.pdf?src-supplier=Newark, ComponentLink18URL=https://datasheet.octopart.com:443/RC0603FR-0710KL-Yageo-datasheet-34211833.pdf?src-supplier=Newark, ComponentLink19Description=https://datasheet.octopart.com:443/RC0603FR-0710KL-Yageo-datasheet-79472498.pdf?src-supplier=Megastar, ComponentLink19URL=https://datasheet.octopart.com:443/RC0603FR-0710KL-Yageo-datasheet-79472498.pdf?src-supplier=Megastar, ComponentLink20Description=https://datasheet.octopart.com/RC0603FR-0710KL-Yageo-datasheet-73766026.pdf, ComponentLink20URL=https://datasheet.octopart.com/RC0603FR-0710KL-Yageo-datasheet-73766026.pdf, ComponentLink21Description=https://datasheet.octopart.com:443/RC0603FR-0710KL-Yageo-datasheet-118562.pdf?src-supplier=DigiKey, ComponentLink21URL=https://datasheet.octopart.com:443/RC0603FR-0710KL-Yageo-datasheet-118562.pdf?src-supplier=DigiKey, ComponentLink22Description=http://sigma.octopart.com:80/rohs_statement/Yageo-company-2.pdf?src-supplier=Compliance+Statements, ComponentLink22URL=http://sigma.octopart.com:80/rohs_statement/Yageo-company-2.pdf?src-supplier=Compliance+Statements, ComponentLink23Description=http://sigma.octopart.com:80/conflict_mineral_statement/Yageo-company-3.pdf?src-supplier=Compliance+Statements, ComponentLink23URL=http://sigma.octopart.com:80/conflict_mineral_statement/Yageo-company-3.pdf?src-supplier=Compliance+Statements, Composition="Thick Film", Depth=800µm, Height=450µm, Lead Free="Lead Free", Lead Pitch=300µm, Length=1.6mm, Lifecycle Status=Production, Manufacturer Part Number=RC0603FR-0710KL, Military Standard=Not, Mounting Technology="Surface Mount", Number of Terminals=2, Packaging="Tape & Reel", Pins=2, Power Rating=100mW, Pricing="1=0.1, 10=0.009, 25=0.0088, 50=0.0052, 5000=0.00408, 10000=0.00306, 25000=0.00303, 35000=0.00288, 50000=0.00275, 60000=0.00268, 120000=0.00247, 125000=0.00246 (USD)", REACH SVHC=Yes, RoHS=Compliant, Schedule B="8533210045, 8533210045|8533210045|8533210045|8533210045|8533210045|8533210045|8533210045|8533210045|8533210045|8533210045|8533210045|8533210045|8533210045|8533210045|8533210045|8533210045|8533210045|8533210045|8533210045|8533210045|8533210045|8533210045|8533210045|85", Stock=15482043, Supplier=DigiKey, Termination=SMD/SMT, Weight=2.012816mg, Width=800µm, Working Voltage=75V